# KiCad board analog_frontend_panel.kicad_pcb
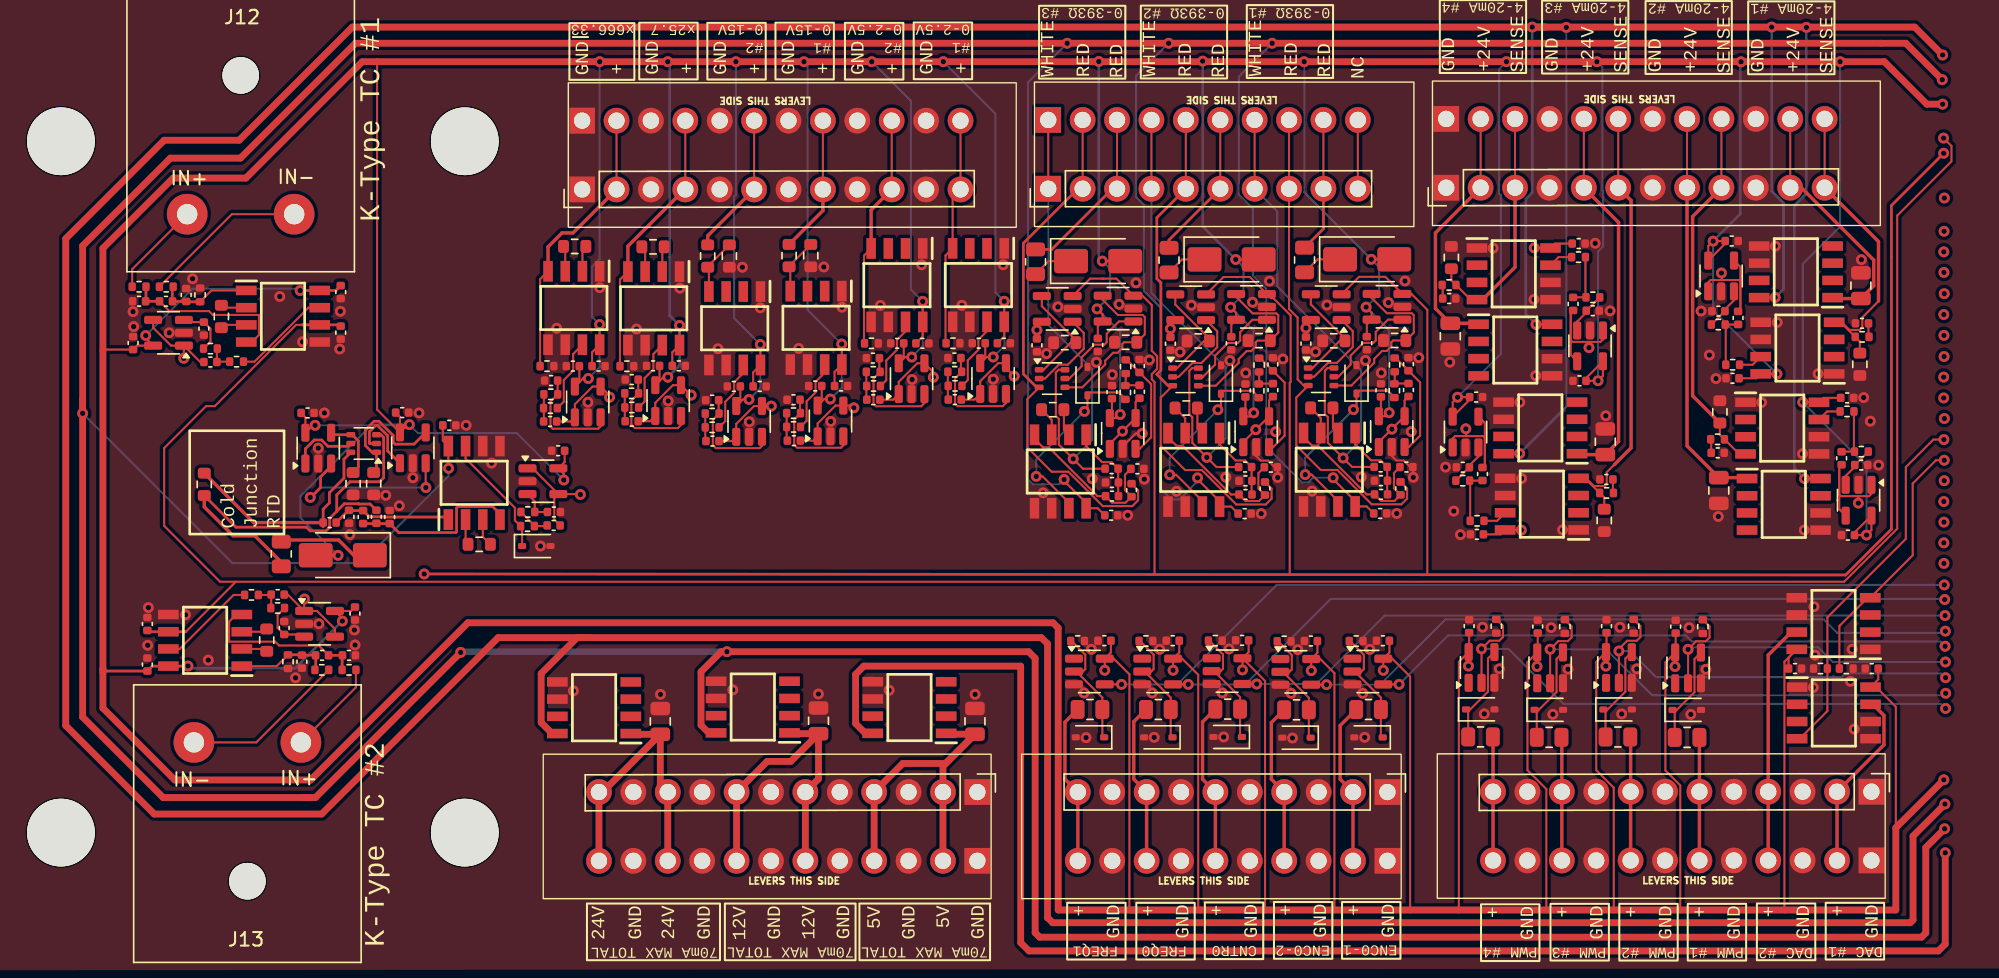
[diagram p0: board, top side]
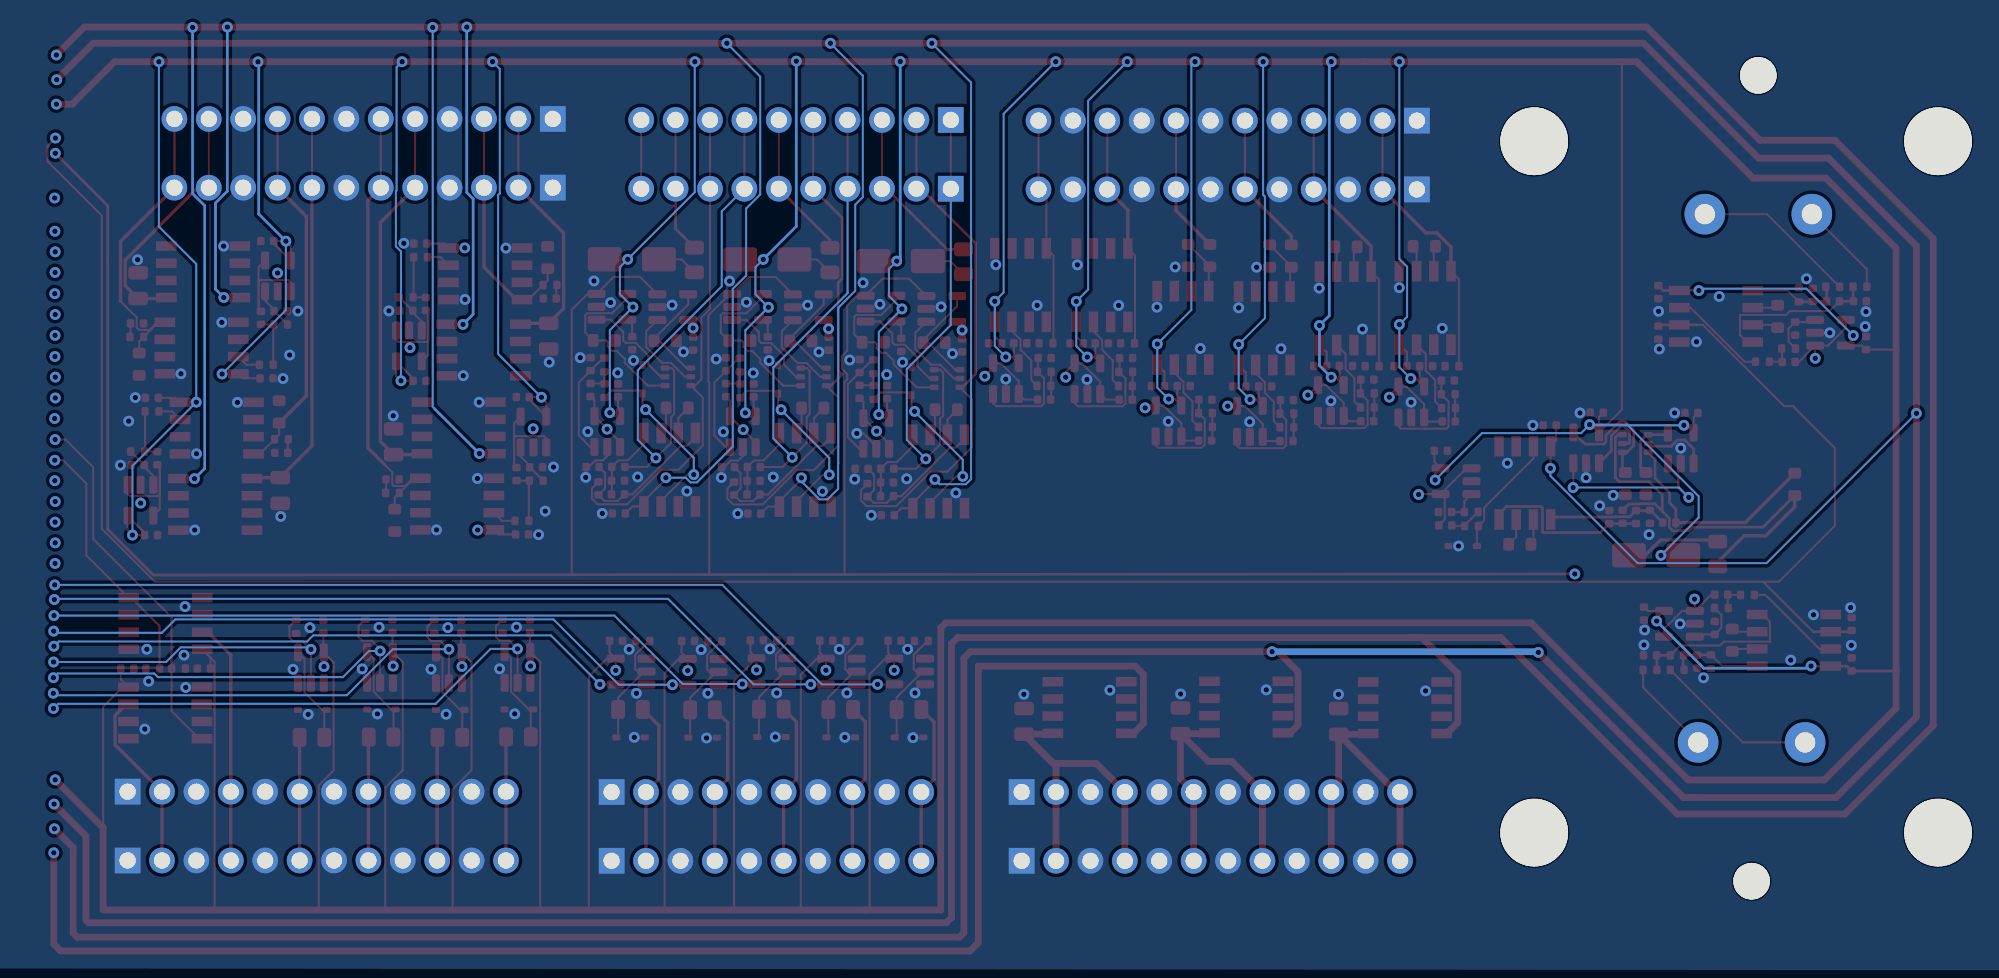
[diagram p1: board, bottom side, seen from below]

No outline. copper layers: Top, In1.Cu, In2.Cu, Bottom. Coordinates in mm from the lowest, leftmost part position.
Stack: Top 0.035mm / dielectric 1.51mm FR4 er 4.5 / In1.Cu 0.035mm / dielectric 1.51mm FR4 er 4.5 / In2.Cu 0.035mm / dielectric 1.51mm FR4 er 4.5 / Bottom 0.035mm

## Placement (name value [footprint] x y rotation side)
C1  2.2uF  [C_0402_1005Metric]  5.77 46.83 180 top
C2  1uF  [C_0402_1005Metric]  7.76 46.83 0 top
C3  2.2uF  [C_0402_1005Metric]  9.25 47.29 90 top
C4  0.1uF  [C_0402_1005Metric]  20.66 47.51 270 top
C6  0.1uF  [C_0402_1005Metric]  20.66 44.51 90 top
C7  2.2uF  [C_0402_1005Metric]  21.27 20.68 0 top
C8  1uF  [C_0402_1005Metric]  19.28 20.68 180 top
C9  2.2uF  [C_0402_1005Metric]  17.79 20.22 270 top
C10  0.1uF  [C_0402_1005Metric]  6.38 20 90 top
C12  0.1uF  [C_0402_1005Metric]  6.38 23 270 top
C25  10nF  [C_0402_1005Metric]  132.98 45.2 180 top
C26  0.1uF  [C_0402_1005Metric]  123.42 41.14 0 top
C28  10nF  [C_0402_1005Metric]  122.33 35.63 0 top
C29  0.1uF  [C_0402_1005Metric]  131.89 39.69 180 top
C31  10nF  [C_0402_1005Metric]  114.11 33.67 180 top
C32  0.1uF  [C_0402_1005Metric]  104.55 29.61 0 top
C34  10nF  [C_0402_1005Metric]  102.5 47.03 0 top
C35  0.1uF  [C_0402_1005Metric]  112.06 51.09 180 top
C49  1nF  [C_0402_1005Metric]  99.34 34.59 180 top
C50  10nF  [C_0402_1005Metric]  97.47 32.57 0 top
C51  1nF  [C_0402_1005Metric]  97.47 33.58 180 top
C52  0.1uF  [C_0402_1005Metric]  97.41 31.16 0 top
C55  0.1uF  [C_0402_1005Metric]  91.93 43.71 270 top
C58  0.1uF  [C_0402_1005Metric]  96.42 43.73 270 top
C60  1nF  [C_0402_1005Metric]  24.27 30.89 270 top
C61  10nF  [C_0402_1005Metric]  22.31 30.89 90 top
C62  1nF  [C_0402_1005Metric]  21.27 30.91 270 top
C63  0.1uF  [C_0402_1005Metric]  28.68 37.67 0 top
C66  0.1uF  [C_0402_1005Metric]  25.2 38.61 0 top
C69  0.1uF  [C_0402_1005Metric]  18.21 38.58 0 top
C71  1nF  [C_0402_1005Metric]  89.34 34.57 180 top
C72  10nF  [C_0402_1005Metric]  87.46 32.56 0 top
C73  1nF  [C_0402_1005Metric]  87.46 33.57 180 top
C74  0.1uF  [C_0402_1005Metric]  87.4 31.15 0 top
C77  0.1uF  [C_0402_1005Metric]  81.92 43.7 270 top
C80  0.1uF  [C_0402_1005Metric]  86.41 43.72 270 top
C82  1nF  [C_0402_1005Metric]  79.48 34.45 180 top
C83  10nF  [C_0402_1005Metric]  77.61 32.44 0 top
C84  1nF  [C_0402_1005Metric]  77.61 33.45 180 top
C85  0.1uF  [C_0402_1005Metric]  77.55 31.02 0 top
C88  0.1uF  [C_0402_1005Metric]  72.06 43.57 270 top
C91  0.1uF  [C_0402_1005Metric]  76.56 43.6 270 top
C1001  10uF 50V 0805  [C_0805_2012Metric]  67.49 15.81 270 top
C1002  10uF 50V 0805  [C_0805_2012Metric]  44.25 15.8 270 top
C1003  10uF 50V 0805  [C_0805_2012Metric]  55.94 15.84 270 top
C5001  10nF C0G 5%  [C_0402_1005Metric]  10.55 44.81 90 top
C5002  10nF C0G 5%  [C_0402_1005Metric]  11.03 42.34 180 top
C5003  0.1uF  [C_0402_1005Metric]  5.33 43.74 270 top
C8001  10nF C0G 5%  [C_0402_1005Metric]  16.48 22.7 270 top
C8002  10nF C0G 5%  [C_0402_1005Metric]  16 25.17 0 top
C8003  0.1uF  [C_0402_1005Metric]  21.71 23.77 90 top
C9001  10nF C0G 5%  [C_0402_1005Metric]  42.15 41.04 0 top
C9002  10nF C0G 5%  [C_0402_1005Metric]  42.14 37.97 0 top
C9003  0.1uF  [C_0402_1005Metric]  43.72 42.06 0 top
C14001  10nF C0G 5%  [C_0402_1005Metric]  36.19 40.97 0 top
C14002  10nF C0G 5%  [C_0402_1005Metric]  36.12 37.95 0 top
C14003  0.1uF  [C_0402_1005Metric]  37.8 42.04 0 top
C15001  10nF C0G 5%  [C_0402_1005Metric]  99.49 42.18 270 top
C15002  10nF C0G 5%  [C_0402_1005Metric]  99.5 40.28 270 top
C15003  0.1uF  [C_0402_1005Metric]  97.46 40.25 270 top
C16001  10nF C0G 5%  [C_0402_1005Metric]  122.38 46.1 0 top
C16002  10nF C0G 5%  [C_0402_1005Metric]  123.83 45.6 90 top
C16003  0.1uF  [C_0402_1005Metric]  123.36 51.28 180 top
C17001  10nF C0G 5%  [C_0402_1005Metric]  89.49 42.17 270 top
C17002  10nF C0G 5%  [C_0402_1005Metric]  89.49 40.27 270 top
C17003  0.1uF  [C_0402_1005Metric]  87.46 40.24 270 top
C18001  10nF C0G 5%  [C_0402_1005Metric]  79.63 42.05 270 top
C18002  10nF C0G 5%  [C_0402_1005Metric]  79.63 40.15 270 top
C18003  0.1uF  [C_0402_1005Metric]  77.6 40.12 270 top
C19001  0.1uF  [C_0402_1005Metric]  114.12 22.83 270 top
C20001  10nF C0G 5%  [C_0402_1005Metric]  36.4 31.27 180 top
C20002  10nF C0G 5%  [C_0402_1005Metric]  36.38 30.28 0 top
C20003  0.1uF  [C_0402_1005Metric]  36.71 35.79 0 top
C21001  10nF C0G 5%  [C_0402_1005Metric]  65.97 42.64 0 top
C21002  10nF C0G 5%  [C_0402_1005Metric]  66 39.57 0 top
C21003  0.1uF  [C_0402_1005Metric]  67.77 43.73 0 top
C22001  0.1uF  [C_0402_1005Metric]  63.61 43.72 180 top
C23001  0.1uF  [C_0402_1005Metric]  51.59 40.54 180 top
C24001  10nF C0G 5%  [C_0402_1005Metric]  48.08 39.53 0 top
C24002  10nF C0G 5%  [C_0402_1005Metric]  48.11 36.5 0 top
C24003  0.1uF  [C_0402_1005Metric]  49.68 40.54 0 top
C25001  10nF C0G 5%  [C_0402_1005Metric]  59.95 42.63 0 top
C25002  10nF C0G 5%  [C_0402_1005Metric]  59.98 39.56 0 top
C25003  0.1uF  [C_0402_1005Metric]  61.75 43.72 0 top
C26001  0.1uF  [C_0402_1005Metric]  109.04 22.8 270 top
C27001  0.1uF  [C_0402_1005Metric]  103.98 22.84 270 top
C27004  0.1uF  [C_0402_1005Metric]  69.62 43.73 180 top
C30001  10nF C0G 5%  [C_0402_1005Metric]  132.93 34.74 180 top
C30002  10nF C0G 5%  [C_0402_1005Metric]  131.48 35.24 270 top
C30003  0.1uF  [C_0402_1005Metric]  131.95 29.56 0 top
C31001  0.1uF  [C_0402_1005Metric]  45.62 42.06 180 top
C32001  10uF 50V 0805  [C_0805_2012Metric]  132.9 47.98 270 top
C32002  10nF C0G 5%  [C_0402_1005Metric]  103.51 34.57 0 top
C32003  10nF C0G 5%  [C_0402_1005Metric]  104.96 34.07 90 top
C32004  0.1uF  [C_0402_1005Metric]  104.49 39.75 180 top
C32005  0.1uF  [C_0402_1005Metric]  39.7 42.04 180 top
C33001  10uF 50V 0805  [C_0805_2012Metric]  122.41 32.85 90 top
C33002  10nF C0G 5%  [C_0402_1005Metric]  113.1 46.13 180 top
C33003  10nF C0G 5%  [C_0402_1005Metric]  111.65 46.63 270 top
C33004  0.1uF  [C_0402_1005Metric]  112.12 40.95 0 top
C33005  0.1uF  [C_0402_1005Metric]  119.23 22.8 270 top
C34001  10uF 50V 0805  [C_0805_2012Metric]  114.03 36.45 270 top
C34002  0.1uF  [C_0402_1005Metric]  128.04 19.71 180 top
C35001  10uF 50V 0805  [C_0805_2012Metric]  102.59 44.25 90 top
C37001  0.1uF  [C_0402_1005Metric]  133.7 19.7 0 top
C38001  0.1uF  [C_0402_1005Metric]  97.61 21.76 0 top
C39001  0.1uF  [C_0402_1005Metric]  92.3 21.74 0 top
C39002  0.1uF  [C_0402_1005Metric]  77.05 21.76 0 top
C40001  0.1uF  [C_0402_1005Metric]  82.09 21.76 0 top
C42001  0.1uF  [C_0402_1005Metric]  87.22 21.79 0 top
C44001  10nF C0G 5%  [C_0402_1005Metric]  54.09 39.56 0 top
C44002  10nF C0G 5%  [C_0402_1005Metric]  54.12 36.53 0 top
C44003  0.1uF  [C_0402_1005Metric]  55.69 40.57 0 top
C45001  0.1uF  [C_0402_1005Metric]  57.6 40.57 180 top
D7  D_Schottky  [D_SMA]  96.45 49.93 0 top
D8  D_Schottky  [D_SMA]  20.81 28.07 180 top
D9  D_Schottky  [D_SMA]  86.44 49.92 0 top
D10  D_Schottky  [D_SMA]  76.58 49.8 0 top
D19001  BZT52C5V6S  [D_SOD-323]  114.94 16.68 0 top
D26001  BZT52C5V6S  [D_SOD-323]  109.86 16.66 0 top
D27001  BZT52C5V6S  [D_SOD-323]  104.8 16.69 0 top
D33001  BZT52C5V6S  [D_SOD-323]  120.05 16.65 0 top
D38001  BZT52C5V6S  [D_SOD-323]  96.55 14.62 180 top
D39001  BZT52C5V6S  [D_SOD-323]  91.23 14.6 180 top
D39002  BZT52C5V6S  [D_SOD-323]  75.98 14.63 180 top
D40001  BZT52C5V6S  [D_SOD-323]  81.03 14.63 180 top
D42001  BZT52C5V6S  [D_SOD-323]  86.15 14.65 180 top
D44001  BZT52C3V3  [D_SOD-323]  35.1 28.75 0 top
D45001  BZT52C3V3  [D_SOD-323]  95.66 41.06 90 top
D46001  BZT52C3V3  [D_SOD-323]  85.65 41.05 90 top
D47001  BZT52C3V3  [D_SOD-323]  75.8 40.93 90 top
H1001  MountingHole_for_10-32  [MountingHole_5mm]  0 58.64 0 top
H1002  MountingHole_for_10-32  [MountingHole_5mm]  0 7.59 0 top
H1003  MountingHole_for_10-32  [MountingHole_5mm]  29.82 58.64 0 top
H1004  MountingHole_for_10-32  [MountingHole_5mm]  29.82 7.59 0 top
IC1  INA826AIDR  [SOIC127P600X175-8N]  16.4 45.72 0 top
IC2  INA826AIDR  [SOIC127P600X175-8N]  10.64 21.79 180 top
IC5  INA826AIDR  [SOIC127P600X175-8N]  128.22 43.37 180 top
IC6  INA826AIDR  [SOIC127P600X175-8N]  127.1 37.46 0 top
IC7  INA826AIDR  [SOIC127P600X175-8N]  109.35 31.85 180 top
IC8  INA826AIDR  [SOIC127P600X175-8N]  107.27 48.86 0 top
IC12  INA826AIDR  [SOIC127P600X175-8N]  93.65 34.39 270 top
IC13  TLV333IDBVR  [SOT-23-5]  93.43 46.4 180 top
IC14  TLV333IDBVR  [SOT-23-5]  97.92 46.42 180 top
IC15  INA826AIDR  [SOIC127P600X175-8N]  30.51 33.42 90 top
IC16  TLV333IDBVR  [SOT-23-5]  25.98 36 90 top
IC17  TLV333IDBVR  [SOT-23-5]  19 35.98 90 top
IC18  INA826AIDR  [SOIC127P600X175-8N]  83.65 34.38 270 top
IC19  TLV333IDBVR  [SOT-23-5]  83.42 46.39 180 top
IC20  TLV333IDBVR  [SOT-23-5]  87.91 46.41 180 top
IC21  INA826AIDR  [SOIC127P600X175-8N]  73.79 34.26 270 top
IC22  TLV333IDBVR  [SOT-23-5]  73.56 46.26 180 top
IC23  TLV333IDBVR  [SOT-23-5]  78.05 46.29 180 top
IC1001  BD42540FJ-CE2  [SOIC127P600X175-8N]  62.65 16.82 180 top
IC1002  BD42540FJ-CE2  [SOIC127P600X175-8N]  39.36 16.81 180 top
IC1003  BD42540FJ-CE2  [SOIC127P600X175-8N]  51.09 16.86 180 top
IC22001  INA826AIDR  [SOIC127P600X175-8N]  61.73 48.01 270 top
IC23001  INA826AIDR  [SOIC127P600X175-8N]  49.75 44.83 270 top
IC27001  INA826AIDR  [SOIC127P600X175-8N]  67.74 48.02 270 top
IC31001  INA826AIDR  [SOIC127P600X175-8N]  43.77 46.31 270 top
IC32001  BD42540FJ-CE2  [SOIC127P600X175-8N]  128.1 49 180 top
IC32002  INA826AIDR  [SOIC127P600X175-8N]  37.87 46.33 270 top
IC33001  BD42540FJ-CE2  [SOIC127P600X175-8N]  127.21 31.83 0 top
IC34001  BD42540FJ-CE2  [SOIC127P600X175-8N]  109.23 37.48 180 top
IC34002  INA826AIDR  [SOIC127P600X175-8N]  130.88 23.03 180 top
IC35001  BD42540FJ-CE2  [SOIC127P600X175-8N]  107.39 43.23 0 top
IC37001  INA826AIDR  [SOIC127P600X175-8N]  130.91 16.43 0 top
IC45001  INA826AIDR  [SOIC127P600X175-8N]  55.76 44.87 270 top
J12  -  [AM-K-PCB]  13.27 67.51 0 top
J13  -  [AM-K-PCB]  13.77 0 180 top
J1001  Screw_Terminal_01x12  [KF141V-2.54-12P]  133.68 10.61 270 top
J1003  Screw_Terminal_01x10  [KF141V-2.54-10P]  97.94 10.59 270 top
J1004  Screw_Terminal_01x12  [KF141V-2.54-12P]  102.29 55.21 90 top
J1005  Screw_Terminal_01x12  [KF141V-2.54-12P]  38.48 55.09 90 top
J1006  Screw_Terminal_01x10  [KF141V-2.54-10P]  72.9 55.14 90 top
J1007  Screw_Terminal_01x12  [KF141V-2.54-12P]  67.67 10.59 270 top
R1  PTS060301B100RP100  [R_0603_1608Metric]  10.58 33.31 270 top
R2  10  [R_0402_1005Metric]  5.77 47.9 0 top
R3  10  [R_0402_1005Metric]  7.78 47.9 180 top
R4  1M  [R_0402_1005Metric]  10.27 47.3 90 top
R6  RNCF0603TKY2K00 2k 0.01% 5ppm/C  [R_0603_1608Metric]  11.84 45.71 270 top
R7  10  [R_0402_1005Metric]  21.27 19.61 180 top
R8  10  [R_0402_1005Metric]  19.26 19.61 0 top
R9  1M  [R_0402_1005Metric]  16.77 20.21 270 top
R11  RNCF0603TKY2K00 2k 0.01% 5ppm/C  [R_0603_1608Metric]  15.19 21.8 90 top
R22  200R  [R_0402_1005Metric]  132.99 44.2 180 top
R23  RNCF0603TKY75R0 75R 0.01% 5ppm/C  [R_0603_1608Metric]  132.82 42.17 90 top
R24  200R  [R_0402_1005Metric]  122.32 36.63 0 top
R25  RNCF0603TKY75R0 75R 0.01% 5ppm/C  [R_0603_1608Metric]  122.49 38.66 270 top
R26  200R  [R_0402_1005Metric]  114.12 32.67 180 top
R27  RNCF0603TKY75R0 75R 0.01% 5ppm/C  [R_0603_1608Metric]  113.95 30.65 90 top
R28  200R  [R_0402_1005Metric]  102.49 48.03 0 top
R29  RNCF0603TKY75R0 75R 0.01% 5ppm/C  [R_0603_1608Metric]  102.66 50.06 270 top
R40  RNCF0603TKY2K00 2k 0.01% 5ppm/C  [R_0603_1608Metric]  93.09 38.95 180 top
R41  300  [R_0805_2012Metric]  91.82 49.88 90 top
R42  10k 1%  [C_0402_1005Metric]  98.91 33.01 90 top
R43  10k 1%  [C_0402_1005Metric]  97.44 34.6 180 top
R44  RNCF0603TKW10K0 10k 0.01% 5ppm/C  [R_0603_1608Metric]  93.98 43.91 180 top
R47  RNCF0603TKW10K0 10k 0.01% 5ppm/C  [R_0603_1608Metric]  98.48 43.93 180 top
R49  RNCF0603TKY2K00 2k 0.01% 5ppm/C  [R_0603_1608Metric]  30.88 28.88 0 top
R50  300  [R_0805_2012Metric]  16.27 28.17 270 top
R51  10k 1%  [C_0402_1005Metric]  23.29 30.91 90 top
R52  10k 1%  [C_0402_1005Metric]  19.84 30.48 180 top
R53  RNCF0603TKW10K0 10k 0.01% 5ppm/C  [R_0603_1608Metric]  23.09 33.36 270 top
R56  RNCF0603TKW10K0 10k 0.01% 5ppm/C  [R_0603_1608Metric]  21.57 33.36 270 top
R58  RNCF0603TKY2K00 2k 0.01% 5ppm/C  [R_0603_1608Metric]  83.09 38.94 180 top
R59  300  [R_0805_2012Metric]  81.82 49.87 90 top
R60  10k 1%  [C_0402_1005Metric]  88.9 33 90 top
R61  10k 1%  [C_0402_1005Metric]  87.44 34.59 180 top
R62  RNCF0603TKW10K0 10k 0.01% 5ppm/C  [R_0603_1608Metric]  83.98 43.9 180 top
R65  RNCF0603TKW10K0 10k 0.01% 5ppm/C  [R_0603_1608Metric]  88.47 43.92 180 top
R67  RNCF0603TKY2K00 2k 0.01% 5ppm/C  [R_0603_1608Metric]  73.23 38.82 180 top
R68  300  [R_0805_2012Metric]  71.96 49.74 90 top
R69  10k 1%  [C_0402_1005Metric]  79.05 32.88 90 top
R70  10k 1%  [C_0402_1005Metric]  77.58 34.46 180 top
R71  RNCF0603TKW10K0 10k 0.01% 5ppm/C  [R_0603_1608Metric]  74.12 43.78 180 top
R74  RNCF0603TKW10K0 10k 0.01% 5ppm/C  [R_0603_1608Metric]  78.62 43.8 180 top
R5001  10k 1%  [R_0402_1005Metric]  12.97 42.37 180 top
R5002  10k 1%  [R_0402_1005Metric]  11.04 43.33 180 top
R8001  10k 1%  [R_0402_1005Metric]  14.07 25.14 0 top
R8002  10k 1%  [R_0402_1005Metric]  16 24.18 0 top
R9001  10k 1%  [R_0402_1005Metric]  42.14 38.99 180 top
R9002  10k 1%  [R_0402_1005Metric]  42.14 40.03 0 top
R14001  100k 1%  [R_0402_1005Metric]  36.14 38.94 0 top
R14002  100k 1%  [R_0402_1005Metric]  36.17 39.96 180 top
R15001  3.3k 1%  [R_0402_1005Metric]  98.45 40.22 90 top
R15002  3.3k 1%  [R_0402_1005Metric]  98.48 42.13 90 top
R16001  3.3k 1%  [R_0402_1005Metric]  123.43 42.14 180 top
R16002  3.3k 1%  [R_0402_1005Metric]  122.37 45.11 180 top
R17001  3.3k 1%  [R_0402_1005Metric]  88.45 40.21 90 top
R17002  3.3k 1%  [R_0402_1005Metric]  88.47 42.12 90 top
R18001  3.3k 1%  [R_0402_1005Metric]  78.59 40.09 90 top
R18002  3.3k 1%  [R_0402_1005Metric]  78.62 42 90 top
R19001  1M  [R_0402_1005Metric]  116.13 22.83 270 top
R19002  49.9  [R_0805_2012Metric]  114.96 14.65 0 top
R20001  100k 1%  [R_0402_1005Metric]  34.47 31.27 180 top
R20002  100k 1%  [R_0402_1005Metric]  34.45 30.23 180 top
R21001  3.3k 1%  [R_0402_1005Metric]  66.02 40.58 180 top
R21002  3.3k 1%  [R_0402_1005Metric]  66 41.62 0 top
R22001  1M  [R_0402_1005Metric]  59.85 43.72 0 top
R23001  RNCF0603TKW10K0 10k 0.01% 5ppm/C  [R_0603_1608Metric]  47.75 50.17 90 top
R23002  RNCF0603TKY2K00 2k 0.01% 5ppm/C  [R_0603_1608Metric]  49.35 50.17 270 top
R24001  3.3k 1%  [R_0402_1005Metric]  48.08 37.52 180 top
R24002  3.3k 1%  [R_0402_1005Metric]  48.08 38.53 0 top
R25001  3.3k 1%  [R_0402_1005Metric]  60 40.57 180 top
R25002  3.3k 1%  [R_0402_1005Metric]  59.98 41.61 0 top
R26001  1M  [R_0402_1005Metric]  111.05 22.8 270 top
R26002  49.9  [R_0805_2012Metric]  109.88 14.63 0 top
R27001  1M  [R_0402_1005Metric]  105.98 22.84 270 top
R27002  49.9  [R_0805_2012Metric]  104.82 14.66 0 top
R27003  1M  [R_0402_1005Metric]  65.86 43.73 0 top
R30001  3.3k 1%  [R_0402_1005Metric]  131.88 38.69 0 top
R30002  3.3k 1%  [R_0402_1005Metric]  132.94 35.72 0 top
R31001  RNCF0603TKY2K00 2k 0.01% 5ppm/C  [R_0603_1608Metric]  43.72 50.85 180 top
R31002  1M  [R_0402_1005Metric]  41.79 42.03 0 top
R32001  3.3k 1%  [R_0402_1005Metric]  104.56 30.61 180 top
R32002  3.3k 1%  [R_0402_1005Metric]  103.5 33.58 180 top
R32003  RNCF0603TKY75R0 75R 0.01% 5ppm/C  [R_0603_1608Metric]  37.93 50.88 180 top
R32004  1M  [R_0402_1005Metric]  35.89 42.04 0 top
R33001  3.3k 1%  [R_0402_1005Metric]  112.05 50.09 0 top
R33002  3.3k 1%  [R_0402_1005Metric]  113.11 47.12 0 top
R33003  1M  [R_0402_1005Metric]  121.23 22.8 270 top
R33004  49.9  [R_0805_2012Metric]  120.07 14.62 0 top
R34001  1M  [R_0402_1005Metric]  131.82 19.71 0 top
R37001  1M  [R_0402_1005Metric]  129.92 19.71 180 top
R38001  49.9  [R_0805_2012Metric]  96.55 16.68 0 top
R38002  1M  [R_0402_1005Metric]  95.63 21.73 0 top
R39001  49.9  [R_0805_2012Metric]  91.23 16.66 0 top
R39002  1M  [R_0402_1005Metric]  90.32 21.71 0 top
R39003  49.9  [R_0805_2012Metric]  75.98 16.68 0 top
R39004  1M  [R_0402_1005Metric]  75.07 21.74 0 top
R40001  49.9  [R_0805_2012Metric]  81.03 16.68 0 top
R40002  1M  [R_0402_1005Metric]  80.11 21.74 0 top
R42001  49.9  [R_0805_2012Metric]  86.15 16.71 0 top
R42002  1M  [R_0402_1005Metric]  85.24 21.76 0 top
R44001  3.3k 1%  [R_0402_1005Metric]  54.09 37.55 180 top
R44002  3.3k 1%  [R_0402_1005Metric]  54.09 38.57 0 top
R45003  RNCF0603TKY2K00 2k 0.01% 5ppm/C  [R_0603_1608Metric]  55.36 50.2 270 top
R45004  RNCF0603TKW10K0 10k 0.01% 5ppm/C  [R_0603_1608Metric]  53.76 50.2 90 top
U1  NTJD4001NT1G  [SOT-363_SC-70-6]  93.04 41.25 0 top
U2  NTJD4001NT1G  [SOT-363_SC-70-6]  22.35 36.32 180 top
U3  NTJD4001NT1G  [SOT-363_SC-70-6]  83.04 41.24 0 top
U4  NTJD4001NT1G  [SOT-363_SC-70-6]  73.18 41.12 0 top
U5001  OPA333xxDBV  [SOT-23-5]  7.94 44.5 180 top
U8001  OPA333xxDBV  [SOT-23-5]  19.1 23.01 0 top
U9001  OPA333xxDBV  [SOT-23-5]  44.84 39.49 90 top
U14001  OPA333xxDBV  [SOT-23-5]  38.9 39.39 90 top
U15001  OPA333xxDBV  [SOT-23-5]  98.26 37.2 90 top
U16001  OPA333xxDBV  [SOT-23-5]  122.58 48.7 90 top
U17001  OPA333xxDBV  [SOT-23-5]  88.25 37.19 90 top
U18001  OPA333xxDBV  [SOT-23-5]  78.4 37.07 90 top
U19001  74LVC1G17  [SOT-23-5]  115.04 19.78 90 top
U20001  OPA333xxDBV  [SOT-23-5]  35.59 33.54 0 top
U21001  OPA333xxDBV  [SOT-23-5]  68.83 41.12 90 top
U24001  OPA333xxDBV  [SOT-23-5]  50.81 37.96 90 top
U25001  OPA333xxDBV  [SOT-23-5]  62.81 41.11 90 top
U26001  74LVC1G17  [SOT-23-5]  109.96 19.76 90 top
U27001  74LVC1G17  [SOT-23-5]  104.89 19.79 90 top
U30001  OPA333xxDBV  [SOT-23-5]  132.73 32.13 270 top
U32001  OPA333xxDBV  [SOT-23-5]  103.71 37.17 90 top
U33001  OPA333xxDBV  [SOT-23-5]  112.9 43.53 270 top
U33002  74LVC1G17  [SOT-23-5]  120.14 19.75 90 top
U38001  74LVC1G17  [SOT-23-5]  96.5 19.48 0 top
U39001  74LVC1G17  [SOT-23-5]  91.18 19.46 0 top
U39002  74LVC1G17  [SOT-23-5]  75.93 19.49 0 top
U40001  74LVC1G17  [SOT-23-5]  80.98 19.49 0 top
U42001  74LVC1G17  [SOT-23-5]  86.1 19.51 0 top
U44001  OPA333xxDBV  [SOT-23-5]  56.82 37.99 90 top

## Library data of the parts
C1-C4 C6-C10 C12 C26 C29 C32 C35 C49-C52 C55 C58 C60-C63 C66 C69 C71-C74 C77 C80 C82-C85 C88 C91 C5003 C8003 C9003 C14003 C15003 C16003 C17003 C18003 C19001 C20003 C21003 C22001 C23001 C24003 C25003 C26001 C27001 C27004 C30003 C31001 C32004 C32005 C33004 C33005 C34002 C37001 C38001 C39001 C39002 C40001 C42001 C44003 C45001 = -: ki_fp_filters: C_*
C25 C28 C31 C34 = -: LCSC: C15195; ki_fp_filters: C_*
C1001-C1003 C32001 C33001 C34001 C35001 = -: LCSC: C440198; ki_fp_filters: C_*
C5001 C5002 C8001 C8002 C9001 C9002 C14001 C14002 C15001 C15002 C16001 C16002 C17001 C17002 C18001 C18002 C20001 C20002 C21001 C21002 C24001 C24002 C25001 C25002 C30001 C30002 C32002 C32003 C33002 C33003 C44001 C44002 = -: LCSC: C3855387; ki_fp_filters: C_*
D7-D10 = -: LCSC: C22452; ki_fp_filters: TO-???* *_Diode_* *SingleDiode* D_*
D19001 D26001 D27001 D33001 D38001 D39001 D39002 D40001 D42001 = -: LCSC: C5184420; ki_fp_filters: TO-???* *_Diode_* *SingleDiode* D_*
D44001 D45001 D46001 D47001 = -: LCSC: C2112; ki_fp_filters: TO-???* *_Diode_* *SingleDiode* D_*
H1001-H1004 = -: ki_fp_filters: MountingHole*
IC1 IC2 IC5-IC8 IC12 IC15 IC18 IC21 IC22001 IC23001 IC27001 IC31001 IC32002 IC34002 IC37001 IC45001 = -: Datasheet: http://www.ti.com/lit/gpn/ina826; Description: Precision, 200-uA Supply Current, 36-V Supply Instrumentation Amplifier; Height: 1.75; Manufacturer_Name: Texas Instruments; Mouser Part Number: 595-INA826AIDR; Mouser Price/Stock: https://www.mouser.co.uk/ProductDetail/Texas-Instruments/INA826AIDR?qs=RqytGdBYyUFuQNJtlkA6aQ%3D%3D; Arrow Price/Stock: https://www.arrow.com/en/products/ina826aidr/texas-instruments?region=nac; LCSC: C38433
IC13 IC14 IC16 IC17 IC19 IC20 IC22 IC23 = -: Datasheet: http://www.ti.com/lit/gpn/tlv333; Description: 350 kHz, Low-Noise, RRIO, CMOS Operational Amplifier for Cost-Sensitive Systems; Height: 1.45; Manufacturer_Name: Texas Instruments; Mouser Part Number: 595-TLV333IDBVR; Mouser Price/Stock: https://www.mouser.co.uk/ProductDetail/Texas-Instruments/TLV333IDBVR?qs=n%252BTO0c4TDSbTbn2suQLlAQ%3D%3D; Arrow Price/Stock: https://www.arrow.com/en/products/tlv333idbvr/texas-instruments
IC1001-IC1003 IC32001 IC33001 IC34001 IC35001 = -: Datasheet: https://4donline.ihs.com/images/VipMasterIC/IC/ROHM/ROHM-S-A0002355662/ROHM-S-A0002355662-1.pdf?hkey=EF798316E3902B6ED9A73243A3159BB0; Description: Supervisory Circuits 3-42V SOP-J8 12A LDO Regulator; Height: 1.65; Manufacturer_Name: ROHM Semiconductor; Mouser Part Number: 755-BD42540FJ-CE2; Mouser Price/Stock: https://www.mouser.co.uk/ProductDetail/ROHM-Semiconductor/BD42540FJ-CE2?qs=zGux8KhMp6JowApuEUgCTw%3D%3D; LCSC: C308591
J12 J13 = -: LCSC: C9900157061; ki_fp_filters: Connector*:*_1x??_*
J1001 J1004 J1005 J1007 = -: Description: Generic screw terminal, single row, 01x12, script generated (kicad-library-utils/schlib/autogen/connector/); LCSC: C475123; ki_fp_filters: TerminalBlock*:*
J1003 J1006 = -: Description: Generic screw terminal, single row, 01x10, script generated (kicad-library-utils/schlib/autogen/connector/); LCSC: C475122; ki_fp_filters: TerminalBlock*:*
R1 = -: Description: Resistor, small US symbol; LCSC: C141518; ki_fp_filters: R_*
R2 R7 = -: LCSC: C25077; ki_fp_filters: R_*
R3 R8 = -: Datasheet: C25077; ki_fp_filters: R_*
R4 R9 R41-R43 R50-R52 R59-R61 R68-R70 R19001 R22001 R26001 R27001 R27003 R31002 R32004 R33003 R34001 R37001 R38002 R39002 R39004 R40002 R42002 = -: ki_fp_filters: R_*